# KiCad board TERES_PCB1-A64-MAIN_Rev.B.kicad_pcb (continued)
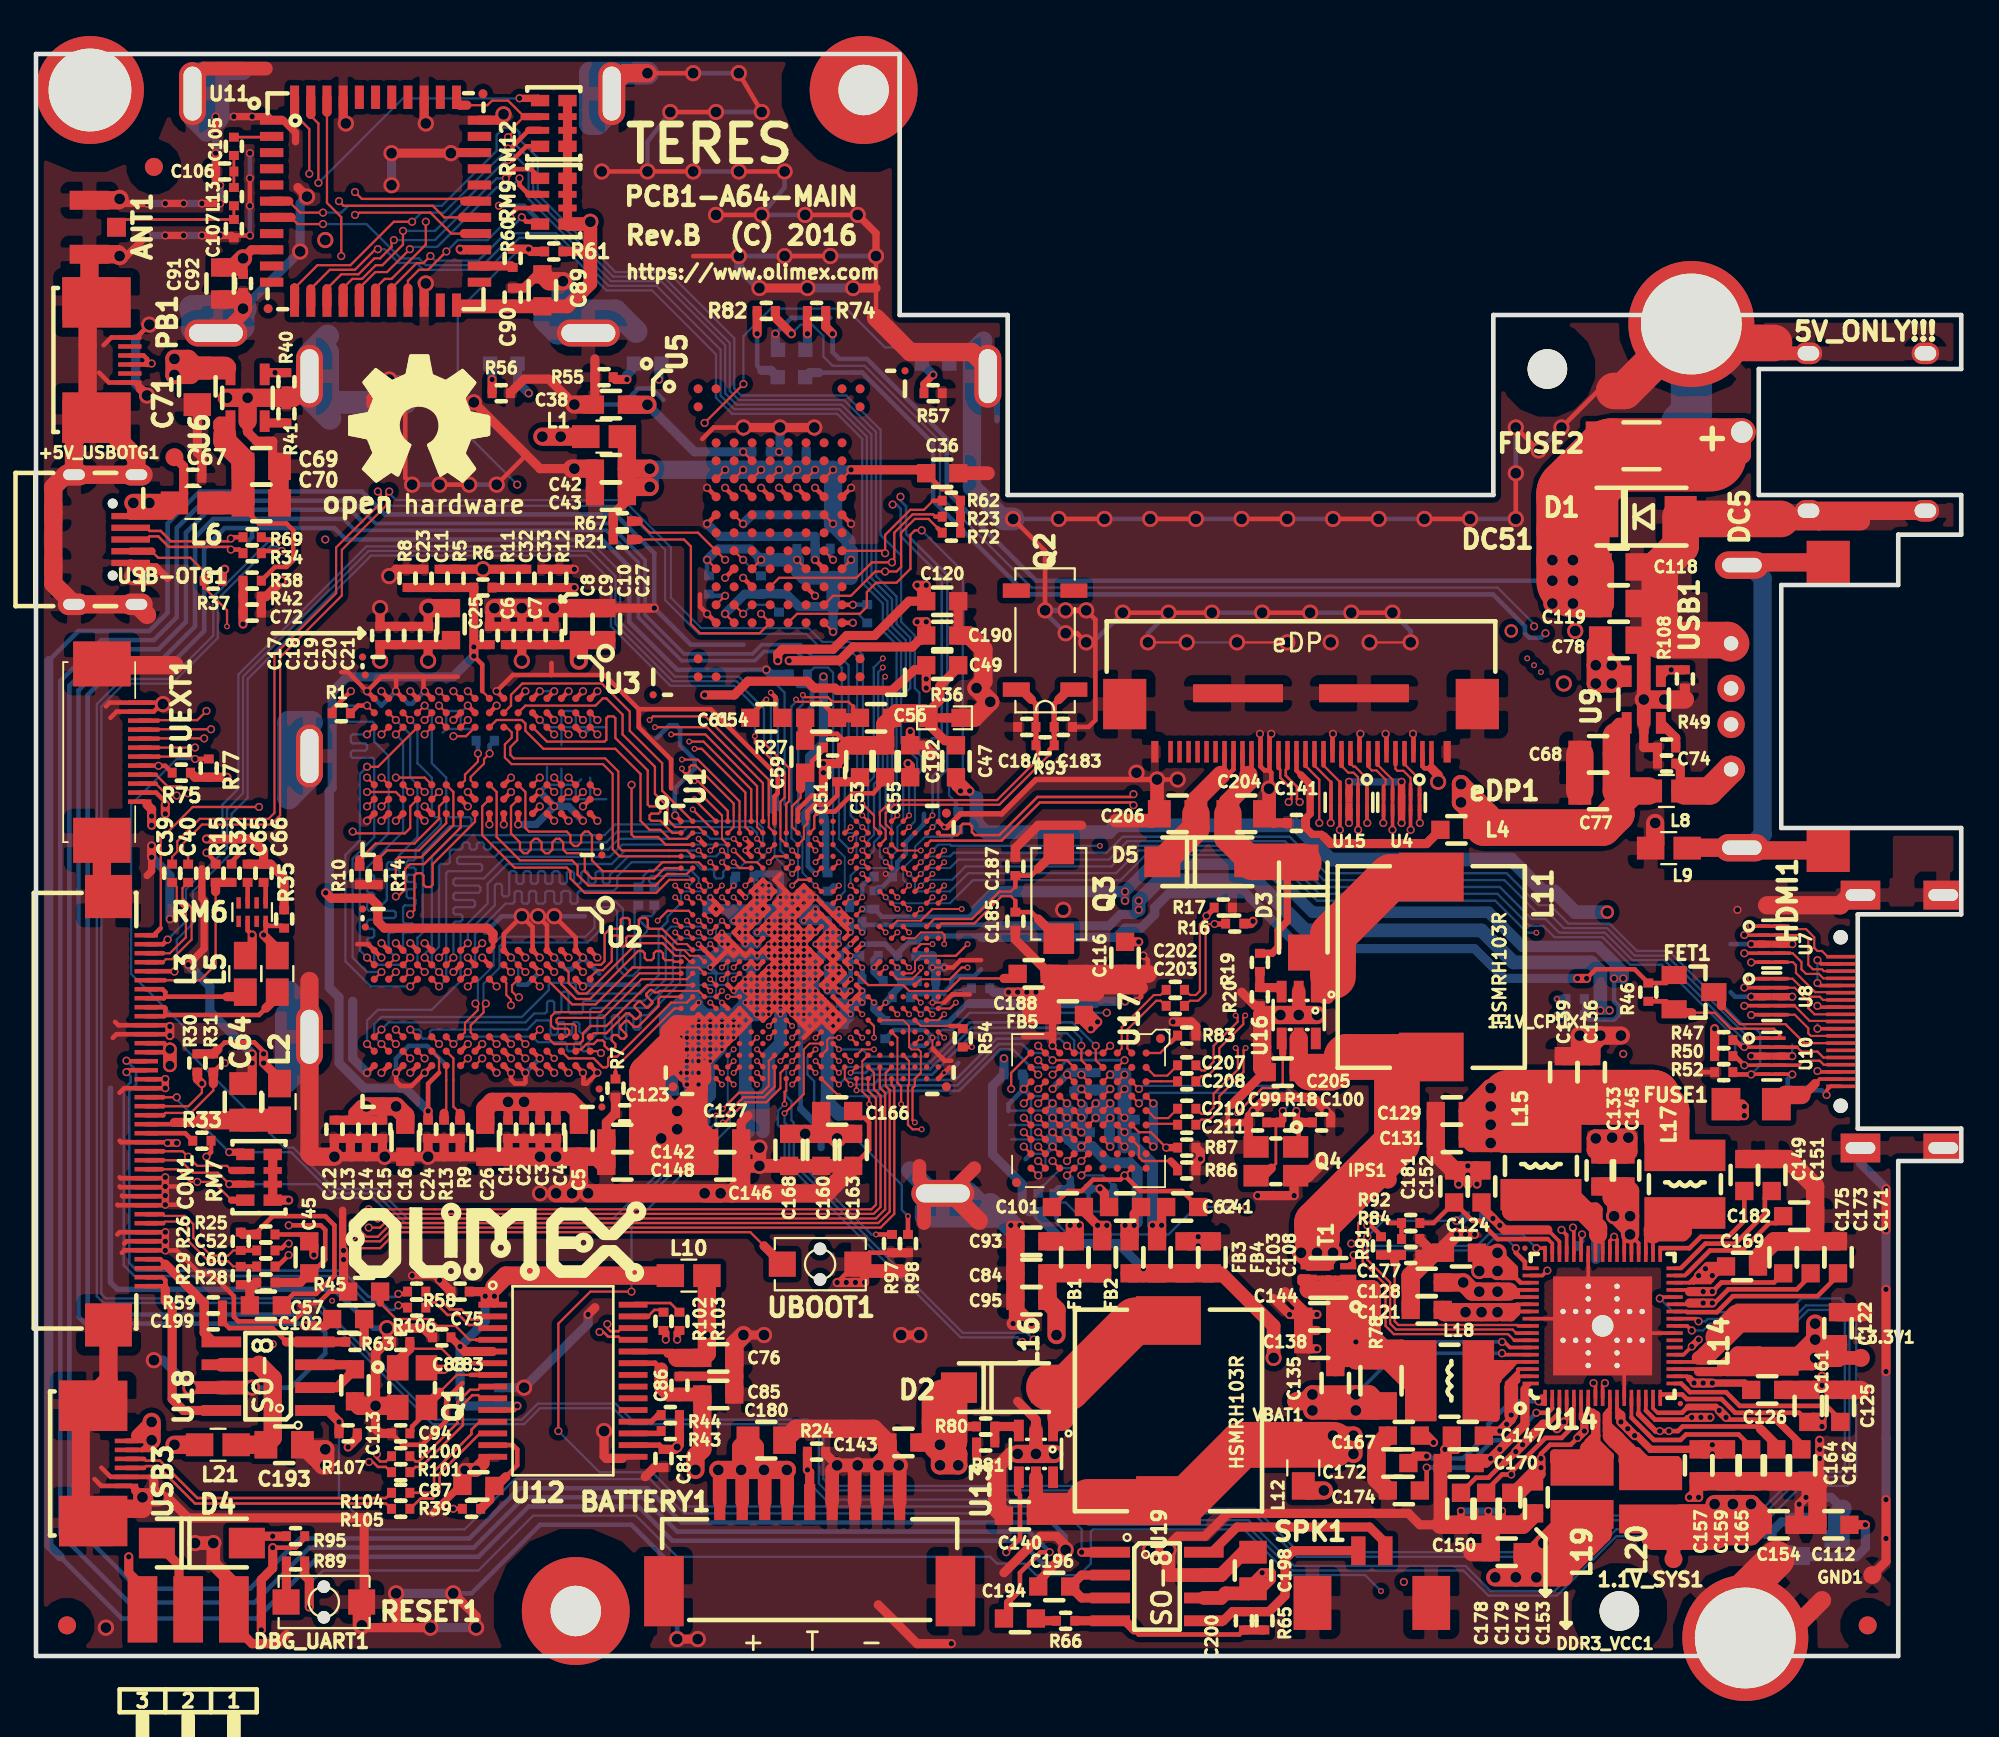
[diagram p0: board, top side]
## Placement (name value [footprint] x y rotation side) (continued)
R46  47k  [R_0402_5MIL_DWS]  89.61 36.88 270 top
R47  2.2k  [R_0402_5MIL_DWS]  93.8 34.21 0 top
R48  na(0R)  [R_0402_5MIL_DWS]  47.6 37.5 0 bottom
R49  10k/1%  [R_0402_5MIL_DWS]  90.63 50.47 0 top
R50  2.2k  [R_0402_5MIL_DWS]  93.8 33.33 0 top
R51  4.7k  [R_0402_5MIL_DWS]  97.87 31.42 0 bottom
R52  10k  [R_0402_5MIL_DWS]  93.8 32.44 180 top
R53  100k  [R_0402_5MIL_DWS]  57.99 25.96 0 bottom
R54  22R  [R_0402_5MIL_DWS]  51.51 34.34 90 top
R55  1.5k  [R_0402_5MIL_DWS]  31.57 71.04 180 top
R56  1.5k  [R_0402_5MIL_DWS]  25.86 70.16 0 top
R57  1.5k  [R_0402_5MIL_DWS]  49.86 70.16 0 top
R58  22R  [R_0402_5MIL_DWS]  21.16 20.24 0 top
R59  22.1K/1%  [R_0402_5MIL_DWS]  9.86 19.48 0 top
R60  NA(0R)  [R_0402_5MIL_DWS]  26.49 77.65 90 top
R61  NA(10k)  [R_0402_5MIL_DWS]  28.78 78.03 0 top
R62  NA  [R_0402_5MIL_DWS]  50.88 64.19 0 top
R63  12k/1%  [R_0402_5MIL_DWS]  17.73 17.45 0 top
R65  22.1K/1%  [R_0402_5MIL_DWS]  68.28 1.96 270 top
R66  12k/1%  [R_0402_5MIL_DWS]  57.23 1.96 180 top
R67  47k  [R_0402_5MIL_DWS]  32.59 63.04 180 top
R68  22R  [R_0402_5MIL_DWS]  51.26 46.41 270 bottom
R69  22R  [R_0402_5MIL_DWS]  12.01 62.15 180 top
R70  NA  [R_0402_5MIL_DWS]  46.2 57.9 270 bottom
R71  NA  [R_0402_5MIL_DWS]  44.65 61.52 0 bottom
R72  NA  [R_0402_5MIL_DWS]  50.88 62.41 0 top
R73  NA  [R_0402_5MIL_DWS]  41.3 58.5 90 bottom
R74  2k/1%  [R_0402_5MIL_DWS]  43.38 74.73 180 top
R75  2.2k  [R_0402_5MIL_DWS]  8.08 49.07 180 top
R76  NA  [R_0402_5MIL_DWS]  40.3 59.5 270 bottom
R77  2.2k  [R_0402_5MIL_DWS]  9.6 49.33 90 top
R78  0.01R/1%/1206  [R_1206_5MIL_DWS]  74.75 15.29 270 top
R79  NA  [R_0402_5MIL_DWS]  37.4 59.5 90 bottom
R80  8.25k/1%  [R_0402_5MIL_DWS]  52.78 12.75 0 top
R81  1.1k/1%  [R_0402_5MIL_DWS]  52.78 11.86 180 top
R82  2.2k  [R_0402_5MIL_DWS]  40.59 74.73 180 top
R83  12K_1%  [R_0402_5MIL_DWS]  63.96 34.47 0 top
R84  na(1k)  [R_0402_5MIL_DWS]  76.4 23.17 180 top
R85  10k  [R_0402_5MIL_DWS]  79.96 24.44 0 bottom
R86  1k  [R_0402_5MIL_DWS]  63.96 26.97 0 top
R87  2.2k  [R_0402_5MIL_DWS]  63.96 28.25 0 top
R88  2.2k  [R_0402_5MIL_DWS]  85.55 36.5 0 bottom
R89  1k  [R_0402_5MIL_DWS]  14.43 5.26 0 top
R90  2.2k  [R_0402_5MIL_DWS]  85.55 35.61 0 bottom
R91  1k  [R_0402_5MIL_DWS]  74.75 22.78 270 top
R92  1k  [R_0402_5MIL_DWS]  76.4 24.05 0 top
R93  10M  [R_0402_5MIL_DWS]  56.08 50.6 180 top
R94  2.2k  [R_0402_5MIL_DWS]  59.89 25.2 90 bottom
R95  10k  [R_0402_5MIL_DWS]  14.43 6.66 0 top
R96  NA  [R_0402_5MIL_DWS]  42.37 54.53 180 bottom
R97  NA  [R_0402_5MIL_DWS]  47.57 22.91 270 top
R98  NA  [R_0402_5MIL_DWS]  48.46 22.91 270 top
R99  2.2k  [R_0402_5MIL_DWS]  55.7 25.2 90 bottom
R100  22R  [R_0402_5MIL_DWS]  20.27 11.1 180 top
R101  22R  [R_0402_5MIL_DWS]  20.27 10.21 180 top
R102  22R  [R_0402_5MIL_DWS]  34.87 18.59 90 top
R103  22R  [R_0402_5MIL_DWS]  35.76 18.59 90 top
R104  22R  [R_0402_5MIL_DWS]  20.27 9.07 0 top
R105  22R  [R_0402_5MIL_DWS]  20.27 8.18 0 top
R106  22R  [R_0402_5MIL_DWS]  21.16 19.36 0 top
R107  47K  [R_0402_5MIL_DWS]  17.35 12.37 0 top
R108  10k  [R_0402_5MIL_DWS]  91.64 54.28 90 top
R109  2.2k  [R_0402_5MIL_DWS]  52.5 37.1 180 bottom
R110  10k  [R_0402_5MIL_DWS]  96.47 6.4 270 bottom
Ref**  Val**  [LOGO_ANTISTATIC_1]  34.75 14.66 180 bottom
Ref**#2  Val**  [LOGO_ROHS_1]  70.81 10.34 180 bottom
RESET1  IT1185AU2  [uTACTIL]  16 3 0 top
RM6  RA0805_(4X0402)_22R  [RA0805_(4X0402)_xx]  12.01 41.33 0 top
RM7  RA1206_(4x0603)_4B8_100k  [R_MATRIX_4]  12.39 26.59 90 top
RM9  RA1206_(4x0603)_4B8_100k  [R_MATRIX_4]  28.78 80.82 90 top
RM12  RA1206_(4x0603)_4B8_100k  [R_MATRIX_4]  28.78 85.14 90 top
SPK1  SPK1  [CON-SPK-TERES]  74.24 1.45 0 top
T1  WPM1481(DFN2X2-6L)  [DFN2x2-6L]  71.83 21.01 90 top
U1  AllWinner-A64(FBGA396)  [FBGA396]  43 39.23 270 top
U2  K4B4G1646Q-HYK0(FBGA-96_256Mx16_DDR3-1600_11-11-11)  [FBGA96(HYNIX_SAMSUNG_512MX16_DDR3)]  24.8 36 180 top
U3  K4B4G1646Q-HYK0(FBGA-96_256Mx16_DDR3-1600_11-11-11)  [FBGA96(HYNIX_SAMSUNG_512MX16_DDR3)]  24.8 50 180 top
U4  RCLAMP0524P(SLP2510P8)  [SLP2510P8]  75.9 47.42 180 top
U5  MTFC4GACAANA-4M_IT(TBGA100)  [TBGA100]  41.3 62.4 270 top
U6  SY6280AAC(SOT23-5)  [SOT-23-5]  11.76 69.9 270 top
U7  RCLAMP0524P(SLP2510P8)  [SLP2510P8]  96.47 39.55 270 top
U8  RCLAMP0524P(SLP2510P8)  [SLP2510P8]  96.47 36.63 270 top
U9  SY6280AAC(SOT23-5)  [SOT-23-5]  89.36 53.14 270 top
U10  RCLAMP0524P(SLP2510P8)  [SLP2510P8]  96.47 33.33 270 top
U11  RTL8723BS(ComboModule)  [RL-SM02BD(RTL8723BS)]  18.87 80.82 0 top
U12  GL850G-SO28  [SSOP28]  29.29 15.29 0 top
U13  MT3608(SOT23-6)  [SOT23-6]  55.57 11.23 90 top
U14  AXP803(QFN68_8x8mm)  [QFN68]  87.07 18.34 0 top
U15  RCLAMP0524P(SLP2510P8)  [SLP2510P8]  72.97 47.42 180 top
U16  MT3608  [SOT23-6]  70.18 35.61 90 top
U17  ANX6345  [BGA_8x8mm_81p_0.8]  58.5 30.3 270 top
U18  TS4871  [SO-8]  12.9 15.55 90 top
U19  TS4871  [SO-8]  62.31 3.86 270 top
UBOOT1  IT1185AU2  [uTACTIL]  43.58 21.77 0 top
USB1  USB_A_THERES  [USB-A-TERES]  107.01 52.76 90 top
USB3  USB3  [FLEXCON-0.5-6]  2.88 10.7 270 top
USB-OTG1  MICRO_USB/MISB-SWMM-5AB_LF  [USB-MICRO_MISB-SWMM-5B_LF]  2.36 62.03 180 top
VBAT1  TESTPAD  [TESTPAD_40-ROUND]  70.05 14.15 0 top

## Footprints (pads in the part's own frame, mm; a bottom-side part is the same pattern mirrored in y, then rotated)
0R_0603
  rect 1.016x1.016 smd: 1(-0.889,0) 2(0.889,0)
  rect 0.78x0.5 smd: 1(0,0)
BATCONN-TERES
  rect 2.2x3.9 smd: 0(-8.1,1.2) 0(8.1,1.2)
  rect 0.625x2 smd: 1(-5,-3.75) 2(-3.75,-3.75) 3(-2.5,-3.75) 4(-1.25,-3.75) 5(0,-3.75) 6(1.25,-3.75) 7(2.5,-3.75) 8(3.75,-3.75) 9(5,-3.75)
BGA_8x8mm_81p_0.8
  round 0.5 smd: 0(-4,4) 0(4,-4)
  round 0.4 smd: A1(-3.2,3.2) A2(-2.4,3.2) A3(-1.6,3.2) A4(-0.8,3.2) A5(0,3.2) A6(0.8,3.2) A7(1.6,3.2) A8(2.4,3.2) A9(3.2,3.2) B1(-3.2,2.4) B2(-2.4,2.4) B3(-1.6,2.4) B4(-0.8,2.4) B5(0,2.4) B6(0.8,2.4) B7(1.6,2.4) B8(2.4,2.4) B9(3.2,2.4) C1(-3.2,1.6) C2(-2.4,1.6) C3(-1.6,1.6) C4(-0.8,1.6) C5(0,1.6) C6(0.8,1.6) C7(1.6,1.6) C8(2.4,1.6) C9(3.2,1.6) D1(-3.2,0.8) D2(-2.4,0.8) D3(-1.6,0.8) D4(-0.8,0.8) D5(0,0.8) D6(0.8,0.8) D7(1.6,0.8) D8(2.4,0.8) D9(3.2,0.8) E1(-3.2,0) E2(-2.4,0) E3(-1.6,0) E4(-0.8,0) E5(0,0) E6(0.8,0) E7(1.6,0) E8(2.4,0) E9(3.2,0) F1(-3.2,-0.8) F2(-2.4,-0.8) F3(-1.6,-0.8) F4(-0.8,-0.8) F5(0,-0.8) F6(0.8,-0.8) F7(1.6,-0.8) F8(2.4,-0.8) F9(3.2,-0.8) G1(-3.2,-1.6) G2(-2.4,-1.6) G3(-1.6,-1.6) G4(-0.8,-1.6) G5(0,-1.6) G6(0.8,-1.6) G7(1.6,-1.6) G8(2.4,-1.6) G9(3.2,-1.6) H1(-3.2,-2.4) H2(-2.4,-2.4) H3(-1.6,-2.4) H4(-0.8,-2.4) H5(0,-2.4) H6(0.8,-2.4) H7(1.6,-2.4) H8(2.4,-2.4) H9(3.2,-2.4) J1(-3.2,-3.2) J2(-2.4,-3.2) J3(-1.6,-3.2) J4(-0.8,-3.2) J5(0,-3.2) J6(0.8,-3.2) J7(1.6,-3.2) J8(2.4,-3.2) J9(3.2,-3.2)
C_0402_5MIL_DWS
  rect 0.5x0.55 smd: 1(-0.508,0) 2(0.508,0)
C_0603_5MIL_DWS
  rect 1.016x1.016 smd: 1(-0.889,0) 2(0.889,0)
C_0805_5MIL_DWS
  rect 1.27x1.524 smd: 1(-1.016,0) 2(1.016,0)
CD32
  rect 1.6x3.5 smd: 1(1.2,0) 2(-1.2,0)
CD42(43)
  rect 1.75x4.5 smd: 1(-1.6,0) 2(1.6,0)
CON-SPK-TERES
  rect 2.1x3 smd: 0(-3.3,1.5) 0(3.3,1.5)
  rect 0.8x1.6 smd: 1(-0.75,4.4) 2(0.75,4.4)
DC-055-TERES
  round 1.524 hole 1.2: 1(0,12.2)
  oval 1.2x1.524 hole 0.8x1.2: 2(-4.375,8.5) 2(-4.375,2) 2(4.375,8.5) 2(4.375,2)
DFN2x2-6L
  rect 0.35x0.9 smd: 1(-0.65,-1.1) 2(0,-1.1) 3(0.65,-1.1) 4(0.65,1.1) 5(0,1.1) 6(-0.65,1.1)
  rect 0.95x0.8 smd: 7(-0.35,0)
  rect 0.35x0.6 smd: 8(0.65,0)
DO214AA
  rect 1.778x2.286 smd: A(2.177,0) C(-2.177,0)
eDP-TERES
  rect 2.4x2.8 smd: 0(-9.8,-1.4) 0(9.8,-1.4)
  rect 0.4x1.2 smd: 0(-8.125,1.25) 0(8.125,1.25)
  rect 5x1 smd: 0(-3.5,-2) 0(3.5,-2)
  rect 0.25x1.2 smd: 1(-7.25,1.25) 2(-6.75,1.25) 3(-6.25,1.25) 4(-5.75,1.25) 5(-5.25,1.25) 6(-4.75,1.25) 7(-4.25,1.25) 8(-3.75,1.25) 9(-3.25,1.25) 10(-2.75,1.25) 11(-2.25,1.25) 12(-1.75,1.25) 13(-1.25,1.25) 14(-0.75,1.25) 15(-0.25,1.25) 16(0.25,1.25) 17(0.75,1.25) 18(1.25,1.25) 19(1.75,1.25) 20(2.25,1.25) 21(2.75,1.25) 22(3.25,1.25) 23(3.75,1.25) 24(4.25,1.25) 25(4.75,1.25) 26(5.25,1.25) 27(5.75,1.25) 28(6.25,1.25) 29(6.75,1.25) 30(7.25,1.25)
FBGA96(HYNIX_SAMSUNG_512MX16_DDR3)
  round 0.4 smd: A1(-6,-3.2) A2(-6,-2.4) A3(-6,-1.6) A7(-6,1.6) A8(-6,2.4) A9(-6,3.2) B1(-5.2,-3.2) B2(-5.2,-2.4) B3(-5.2,-1.6) B7(-5.2,1.6) B8(-5.2,2.4) B9(-5.2,3.2) C1(-4.4,-3.2) C2(-4.4,-2.4) C3(-4.4,-1.6) C7(-4.4,1.6) C8(-4.4,2.4) C9(-4.4,3.2) D1(-3.6,-3.2) D2(-3.6,-2.4) D3(-3.6,-1.6) D7(-3.6,1.6) D8(-3.6,2.4) D9(-3.6,3.2) E1(-2.8,-3.2) E2(-2.8,-2.4) E3(-2.8,-1.6) E7(-2.8,1.6) E8(-2.8,2.4) E9(-2.8,3.2) F1(-2,-3.2) F2(-2,-2.4) F3(-2,-1.6) F7(-2,1.6) F8(-2,2.4) F9(-2,3.2) FID1(6.5,-4.5) FID2(-6.5,4.5) FID3(6.65,-5.5) FID4(-6.65,5.5) G1(-1.2,-3.2) G2(-1.2,-2.4) G3(-1.2,-1.6) G7(-1.2,1.6) G8(-1.2,2.4) G9(-1.2,3.2) H1(-0.4,-3.2) H2(-0.4,-2.4) H3(-0.4,-1.6) H7(-0.4,1.6) H8(-0.4,2.4) H9(-0.4,3.2) J1(0.4,-3.2) J2(0.4,-2.4) J3(0.4,-1.6) J7(0.4,1.6) J8(0.4,2.4) J9(0.4,3.2) K1(1.2,-3.2) K2(1.2,-2.4) K3(1.2,-1.6) K7(1.2,1.6) K8(1.2,2.4) K9(1.2,3.2) L1(2,-3.2) L2(2,-2.4) L3(2,-1.6) L7(2,1.6) L8(2,2.4) L9(2,3.2) M1(2.8,-3.2) M2(2.8,-2.4) M3(2.8,-1.6) M7(2.8,1.6) M8(2.8,2.4) M9(2.8,3.2) N1(3.6,-3.2) N2(3.6,-2.4) N3(3.6,-1.6) N7(3.6,1.6) N8(3.6,2.4) N9(3.6,3.2) P1(4.4,-3.2) P2(4.4,-2.4) P3(4.4,-1.6) P7(4.4,1.6) P8(4.4,2.4) P9(4.4,3.2) R1(5.2,-3.2) R2(5.2,-2.4) R3(5.2,-1.6) R7(5.2,1.6) R8(5.2,2.4) R9(5.2,3.2) T1(6,-3.2) T2(6,-2.4) T3(6,-1.6) T7(6,1.6) T8(6,2.4) T9(6,3.2)
FBGA396
  round 0.3 smd: A1(-7.15,-7.15) A2(-7.15,-6.5) A4(-7.15,-5.2) A5(-7.15,-4.55) A7(-7.15,-3.25) A8(-7.15,-2.6) A11(-7.15,-0.65) A13(-7.15,0.65) A14(-7.15,1.3) A16(-7.15,2.6) A17(-7.15,3.25) A19(-7.15,4.55) A20(-7.15,5.2) A22(-7.15,6.5) A23(-7.15,7.15) AA1(5.85,-7.15) AA3(5.85,-5.85) AA5(5.85,-4.55) AA6(5.85,-3.9) AA7(5.85,-3.25) AA8(5.85,-2.6) AA9(5.85,-1.95) AA10(5.85,-1.3) AA11(5.85,-0.65) AA12(5.85,0) AA13(5.85,0.65) AA14(5.85,1.3) AA15(5.85,1.95) AA16(5.85,2.6) AA17(5.85,3.25) AA18(5.85,3.9) AA19(5.85,4.55) AA20(5.85,5.2) AA21(5.85,5.85) AA22(5.85,6.5) AB2(6.5,-6.5) AB4(6.5,-5.2) AB5(6.5,-4.55) AB6(6.5,-3.9) AB7(6.5,-3.25) AB8(6.5,-2.6) AB9(6.5,-1.95) AB10(6.5,-1.3) AB11(6.5,-0.65) AB12(6.5,0) AB13(6.5,0.65) AB14(6.5,1.3) AB15(6.5,1.95) AB16(6.5,2.6) AB17(6.5,3.25) AB18(6.5,3.9) AB19(6.5,4.55) AB20(6.5,5.2) AB21(6.5,5.85) AB22(6.5,6.5) AB23(6.5,7.15) AC1(7.15,-7.15) AC2(7.15,-6.5) AC4(7.15,-5.2) AC5(7.15,-4.55) AC7(7.15,-3.25) AC8(7.15,-2.6) AC10(7.15,-1.3) AC11(7.15,-0.65) AC13(7.15,0.65) AC14(7.15,1.3) AC16(7.15,2.6) AC17(7.15,3.25) AC19(7.15,4.55) AC20(7.15,5.2) AC22(7.15,6.5) AC23(7.15,7.15) B1(-6.5,-7.15) B2(-6.5,-6.5) B3(-6.5,-5.85) B4(-6.5,-5.2) B5(-6.5,-4.55) B6(-6.5,-3.9) B7(-6.5,-3.25) B8(-6.5,-2.6) B9(-6.5,-1.95) B10(-6.5,-1.3) B11(-6.5,-0.65) B12(-6.5,0) B13(-6.5,0.65) B14(-6.5,1.3) B15(-6.5,1.95) B16(-6.5,2.6) B17(-6.5,3.25) B18(-6.5,3.9) B19(-6.5,4.55) B20(-6.5,5.2) B21(-6.5,5.85) B22(-6.5,6.5) B23(-6.5,7.15) C2(-5.85,-6.5) C3(-5.85,-5.85) C4(-5.85,-5.2) C5(-5.85,-4.55) C6(-5.85,-3.9) C7(-5.85,-3.25) C8(-5.85,-2.6) C9(-5.85,-1.95) C10(-5.85,-1.3) C11(-5.85,-0.65) C12(-5.85,0) C13(-5.85,0.65) C14(-5.85,1.3) C16(-5.85,2.6) C17(-5.85,3.25) C18(-5.85,3.9) C19(-5.85,4.55) C20(-5.85,5.2) C22(-5.85,6.5) D1(-5.2,-7.15) D2(-5.2,-6.5) D3(-5.2,-5.85) D5(-5.2,-4.55) D7(-5.2,-3.25) D8(-5.2,-2.6) D10(-5.2,-1.3) D11(-5.2,-0.65) D13(-5.2,0.65) D14(-5.2,1.3) D16(-5.2,2.6) D17(-5.2,3.25) D19(-5.2,4.55) D20(-5.2,5.2) D21(-5.2,5.85) D22(-5.2,6.5) D23(-5.2,7.15) E1(-4.55,-7.15) E2(-4.55,-6.5) E3(-4.55,-5.85) E4(-4.55,-5.2) E5(-4.55,-4.55) E7(-4.55,-3.25) E8(-4.55,-2.6) E10(-4.55,-1.3) E11(-4.55,-0.65) E13(-4.55,0.65) E14(-4.55,1.3) E16(-4.55,2.6) E17(-4.55,3.25) E19(-4.55,4.55) E20(-4.55,5.2) E21(-4.55,5.85) E22(-4.55,6.5) E23(-4.55,7.15) F2(-3.9,-6.5) F3(-3.9,-5.85) F7(-3.9,-3.25) F12(-3.9,0) F16(-3.9,2.6) F17(-3.9,3.25) F21(-3.9,5.85) F22(-3.9,6.5) G1(-3.25,-7.15) G2(-3.25,-6.5) G3(-3.25,-5.85) G4(-3.25,-5.2) G5(-3.25,-4.55) G6(-3.25,-3.9) G7(-3.25,-3.25) G8(-3.25,-2.6) G9(-3.25,-1.95) G11(-3.25,-0.65) G13(-3.25,0.65) G14(-3.25,1.3) G16(-3.25,2.6) G18(-3.25,3.9) G19(-3.25,4.55) G20(-3.25,5.2) G21(-3.25,5.85) G22(-3.25,6.5) G23(-3.25,7.15) H1(-2.6,-7.15) H2(-2.6,-6.5) H3(-2.6,-5.85) H4(-2.6,-5.2) H5(-2.6,-4.55) H6(-2.6,-3.9) H13(-2.6,0.65) H14(-2.6,1.3) H15(-2.6,1.95) H16(-2.6,2.6) H19(-2.6,4.55) H20(-2.6,5.2) H22(-2.6,6.5) H23(-2.6,7.15) J2(-1.95,-6.5) J3(-1.95,-5.85) J8(-1.95,-2.6) J9(-1.95,-1.95) J10(-1.95,-1.3) J11(-1.95,-0.65) J12(-1.95,0) J13(-1.95,0.65) J14(-1.95,1.3) J15(-1.95,1.95) J16(-1.95,2.6) J21(-1.95,5.85) K1(-1.3,-7.15) K2(-1.3,-6.5) K3(-1.3,-5.85) K4(-1.3,-5.2) K5(-1.3,-4.55) K6(-1.3,-3.9) K7(-1.3,-3.25) K8(-1.3,-2.6) K9(-1.3,-1.95) K10(-1.3,-1.3) K11(-1.3,-0.65) K12(-1.3,0) K13(-1.3,0.65) K14(-1.3,1.3) K16(-1.3,2.6) K18(-1.3,3.9) K19(-1.3,4.55) K20(-1.3,5.2) K22(-1.3,6.5) K23(-1.3,7.15) L1(-0.65,-7.15) L2(-0.65,-6.5) L3(-0.65,-5.85) L4(-0.65,-5.2) L5(-0.65,-4.55) L6(-0.65,-3.9) L7(-0.65,-3.25) L8(-0.65,-2.6) L9(-0.65,-1.95) L10(-0.65,-1.3) L11(-0.65,-0.65) L12(-0.65,0) L13(-0.65,0.65) L14(-0.65,1.3) L15(-0.65,1.95) L16(-0.65,2.6) L19(-0.65,4.55) L20(-0.65,5.2) L22(-0.65,6.5) L23(-0.65,7.15) M2(0,-6.5) M3(0,-5.85) M4(0,-5.2) M8(0,-2.6) M9(0,-1.95) M10(0,-1.3) M11(0,-0.65) M12(0,0) M13(0,0.65) M14(0,1.3) M15(0,1.95) M16(0,2.6) M21(0,5.85) M22(0,6.5) N1(0.65,-7.15) N2(0.65,-6.5) N3(0.65,-5.85) N4(0.65,-5.2) N5(0.65,-4.55) N6(0.65,-3.9) N7(0.65,-3.25) N8(0.65,-2.6) N9(0.65,-1.95) N10(0.65,-1.3) N11(0.65,-0.65) N12(0.65,0) N13(0.65,0.65) N14(0.65,1.3) N15(0.65,1.95) N16(0.65,2.6) N18(0.65,3.9) N19(0.65,4.55) N20(0.65,5.2) N22(0.65,6.5) N23(0.65,7.15) P1(1.3,-7.15) P2(1.3,-6.5) P3(1.3,-5.85) P5(1.3,-4.55) P6(1.3,-3.9) P7(1.3,-3.25) P8(1.3,-2.6) P9(1.3,-1.95) P10(1.3,-1.3) P11(1.3,-0.65) P12(1.3,0) P13(1.3,0.65) P14(1.3,1.3) P16(1.3,2.6) P18(1.3,3.9) P19(1.3,4.55) P20(1.3,5.2) P22(1.3,6.5) P23(1.3,7.15) R2(1.95,-6.5) R3(1.95,-5.85) R4(1.95,-5.2) R5(1.95,-4.55) R6(1.95,-3.9) R7(1.95,-3.25) R8(1.95,-2.6) R9(1.95,-1.95) R10(1.95,-1.3) R11(1.95,-0.65) R12(1.95,0) R13(1.95,0.65) R14(1.95,1.3) R15(1.95,1.95) R16(1.95,2.6) R21(1.95,5.85) R22(1.95,6.5) T1(2.6,-7.15) T2(2.6,-6.5) T3(2.6,-5.85) T4(2.6,-5.2) T6(2.6,-3.9) T8(2.6,-2.6) T9(2.6,-1.95) T10(2.6,-1.3) T11(2.6,-0.65) T12(2.6,0) T13(2.6,0.65) T14(2.6,1.3) T15(2.6,1.95) T17(2.6,3.25) T19(2.6,4.55) T20(2.6,5.2) T21(2.6,5.85) T22(2.6,6.5) T23(2.6,7.15) U1(3.25,-7.15) U2(3.25,-6.5) U4(3.25,-5.2) U5(3.25,-4.55) U6(3.25,-3.9) U7(3.25,-3.25) U8(3.25,-2.6) U9(3.25,-1.95) U11(3.25,-0.65) U12(3.25,0) U15(3.25,1.95) U16(3.25,2.6) U18(3.25,3.9) U19(3.25,4.55) U20(3.25,5.2) U21(3.25,5.85) U22(3.25,6.5) U23(3.25,7.15) V2(3.9,-6.5) V3(3.9,-5.85) V4(3.9,-5.2) V5(3.9,-4.55) V6(3.9,-3.9) V8(3.9,-2.6) V9(3.9,-1.95) V10(3.9,-1.3) V14(3.9,1.3) V17(3.9,3.25) V18(3.9,3.9) V21(3.9,5.85) V22(3.9,6.5) W1(4.55,-7.15) W3(4.55,-5.85) W4(4.55,-5.2) W5(4.55,-4.55) W7(4.55,-3.25) W8(4.55,-2.6) W9(4.55,-1.95) W10(4.55,-1.3) W11(4.55,-0.65) W13(4.55,0.65) W16(4.55,2.6) W17(4.55,3.25) W19(4.55,4.55) W20(4.55,5.2) W21(4.55,5.85) W22(4.55,6.5) W23(4.55,7.15) Y2(5.2,-6.5) Y3(5.2,-5.85) Y4(5.2,-5.2) Y6(5.2,-3.9) Y7(5.2,-3.25) Y8(5.2,-2.6) Y10(5.2,-1.3) Y11(5.2,-0.65) Y13(5.2,0.65) Y14(5.2,1.3) Y16(5.2,2.6) Y17(5.2,3.25) Y19(5.2,4.55) Y21(5.2,5.85) Y22(5.2,6.5) Y23(5.2,7.15)
  round 0.5 smd: fid1(7.6,-7.6) fid2(7.6,7.6) fid3(-7.6,7.6)
Fiducial1x3_transp
  round 1 smd: Fid1(0,0)
FLEXCON-0.5-6
  rect 2.4x3 smd: 0(-3.4,-0.1) 0(3.4,-0.1)
  rect 2.8x3.8 smd: 0(-3.2,0.3) 0(3.2,0.3)
  rect 0.25x1.3 smd: 1(-1.25,2.15) 2(-0.75,2.15) 3(-0.25,2.15) 4(0.25,2.15) 5(0.75,2.15) 6(1.25,2.15)
FPV-WZA21-40-LF
  rect 2.4x2.6 smd: 0(-11.9,-0.65) 0(11.9,-0.65)
  rect 0.25x1.3 smd: 1(-9.75,-2.75) 2(-9.25,-2.75) 3(-8.75,-2.75) 4(-8.25,-2.75) 5(-7.75,-2.75) 6(-7.25,-2.75) 7(-6.75,-2.75) 8(-6.25,-2.75) 9(-5.75,-2.75) 10(-5.25,-2.75) 11(-4.75,-2.75) 12(-4.25,-2.75) 13(-3.75,-2.75) 14(-3.25,-2.75) 15(-2.75,-2.75) 16(-2.25,-2.75) 17(-1.75,-2.75) 18(-1.25,-2.75) 19(-0.75,-2.75) 20(-0.25,-2.75) 21(0.25,-2.75) 22(0.75,-2.75) 23(1.25,-2.75) 24(1.75,-2.75) 25(2.25,-2.75) 26(2.75,-2.75) 27(3.25,-2.75) 28(3.75,-2.75) 29(4.25,-2.75) 30(4.75,-2.75) 31(5.25,-2.75) 32(5.75,-2.75) 33(6.25,-2.75) 34(6.75,-2.75) 35(7.25,-2.75) 36(7.75,-2.75) 37(8.25,-2.75) 38(8.75,-2.75) 39(9.25,-2.75) 40(9.75,-2.75)
FPV-WZB21-12-LF
  rect 2.5x3.2 smd: 0(-4.9,0.35) 0(4.9,0.35)
  rect 0.25x1.3 smd: 1(-2.75,-1.75) 2(-2.25,-1.75) 3(-1.75,-1.75) 4(-1.25,-1.75) 5(-0.75,-1.75) 6(-0.25,-1.75) 7(0.25,-1.75) 8(0.75,-1.75) 9(1.25,-1.75) 10(1.75,-1.75) 11(2.25,-1.75) 12(2.75,-1.75)
FUSE-1206
  rect 1.6x1.8 smd: 1(-1.4,0) 2(1.4,0)
FUSE-5025
  rect 1.8x2.7 smd: 1(-2.2,0) 2(2.2,0)
HDMI-MINI-TERES
  round 0.8 hole 0.8 unplated: (-4.68,7.7) (4.68,7.7)
  rect 1.6x2.2 hole 0.65x1.65: 0(-7.025,6.6) 0(-7.025,2) 0(7.025,6.6) 0(7.025,2)
  rect 0.2x1.6 smd: 1(3.6,7.7) 2(3.2,7.7) 3(2.8,7.7) 4(2.4,7.7) 5(2,7.7) 6(1.6,7.7) 7(1.2,7.7) 8(0.8,7.7) 9(0.4,7.7) 10(0,7.7) 11(-0.4,7.7) 12(-0.8,7.7) 13(-1.2,7.7) 14(-1.6,7.7) 15(-2,7.7) 16(-2.4,7.7) 17(-2.8,7.7) 18(-3.2,7.7) 19(-3.6,7.7)
HN1x3(SMD)
  rect 1.651x3.683 smd: 1(-2.54,0) 2(0,0) 3(2.54,0)
HSMRH103R
  rect 2.7x3.6 smd: 1(-5,0) 2(5,0)
L_0603_5MIL_DWS
  rect 1.016x1.016 smd: 1(-0.889,0) 2(0.889,0)
L_0805_5MIL_DWS
  rect 1.524x1.27 smd: 1(-1.016,0) 2(1.016,0)
LED_0603_KA
  rect 0.8x0.8 smd: 1(-0.762,0) 2(0.762,0)
MC306-HS
  rect 0.8x1.5 smd: 1(-2.75,1.6) 2(-2.75,-1.6) 3(2.75,-1.6) 4(2.75,1.6)
Mounting_hole_2.8mm
  round 6 hole 2.8: (0,0)
Mounting_hole_3.3mm
  round 6 hole 2.8: (-20.765,-1.766)
Mounting_hole_5.6mm_TERES
  round 7 hole 5.6: (0,0)
Mounting_hole_TERES_4.6mm
  round 6 hole 4.6: (0,0)
NPTH_2.2mm
  round 2.2 hole 2.2 unplated: (0,0)
Oval_Drill
  oval 3.5x1.5 hole 3x1: 1(0,0)
Q5x3.25
  rect 1.7x1.7 smd: 1(-2.49,0) 2(2.49,0)
QFN68
  rect 1.6x1.2 smd: (-1.8,0) (1.8,0)
  rect 1.5x1.6 smd: (-1.75,1.8) (-1.75,-1.8) (1.75,1.8) (1.75,-1.8)
  rect 1.2x1.6 smd: (0,1.8)
  rect 1.2x1.7 smd: (0,-1.75)
  rect 0.2x0.9 smd: 1(-3.2,-4) 2(-2.8,-4) 3(-2.4,-4) 4(-2,-4) 5(-1.6,-4) 6(-1.2,-4) 7(-0.8,-4) 8(-0.4,-4) 9(0,-4) 10(0.4,-4) 11(0.8,-4) 12(1.2,-4) 13(1.6,-4) 14(2,-4) 15(2.4,-4) 16(2.8,-4) 17(3.2,-4) 35(3.2,4) 36(2.8,4) 37(2.4,4) 38(2,4) 39(1.6,4) 40(1.2,4) 41(0.8,4) 42(0.4,4) 43(0,4) 44(-0.4,4) 45(-0.8,4) 46(-1.2,4) 47(-1.6,4) 48(-2,4) 49(-2.4,4) 50(-2.8,4) 51(-3.2,4)
  rect 0.9x0.2 smd: 18(4,-3.2) 19(4,-2.8) 20(4,-2.4) 21(4,-2) 22(4,-1.6) 23(4,-1.2) 24(4,-0.8) 25(4,-0.4) 26(4,0) 27(4,0.4) 28(4,0.8) 29(4,1.2) 30(4,1.6) 31(4,2) 32(4,2.4) 33(4,2.8) 34(4,3.2) 52(-4,3.2) 53(-4,2.8) 54(-4,2.4) 55(-4,2) 56(-4,1.6) 57(-4,1.2) 58(-4,0.8) 59(-4,0.4) 60(-4,0) 61(-4,-0.4) 62(-4,-0.8) 63(-4,-1.2) 64(-4,-1.6) 65(-4,-2) 66(-4,-2.4) 67(-4,-2.8) 68(-4,-3.2)
  rect 0.4x0.4 hole 0.3: 69(-2.2,0.8) 69(-2.2,-0.8) 69(-1.5,0.8) 69(-1.5,-0.8) 69(-0.8,2.2) 69(-0.8,1.5) 69(-0.8,0.8) 69(-0.8,-0.8) 69(-0.8,-1.5) 69(-0.8,-2.2) 69(0.8,2.2) 69(0.8,1.5) 69(0.8,0.8) 69(0.8,-0.8) 69(0.8,-1.5) 69(0.8,-2.2) 69(1.5,0.8) 69(1.5,-0.8) 69(2.2,0.8) 69(2.2,-0.8)
  rect 1.422x1.422 hole 1.2: 69(0,0)
  rect 5.5x5.5 smd: 69(0,0)
  round 0.3 smd: Fid1(-4.318,4.318) Fid2(4.318,-4.318)
R_0402_5MIL_DWS
  rect 0.5x0.55 smd: 1(-0.508,0) 2(0.508,0)
R_0603_5MIL_DWS
  rect 1.016x1.016 smd: 1(-0.889,0) 2(0.889,0)
R_0805_5MIL_DWS
  rect 1.27x1.524 smd: 1(-1.016,0) 2(1.016,0)
R_1206_5MIL_DWS
  rect 1.524x1.778 smd: 1(-1.397,0) 2(1.397,0)
R_MATRIX_4
  rect 0.635x1.016 smd: 1.1(-1.27,-0.762) 1.2(-1.27,0.762) 4.1(1.27,-0.762) 4.2(1.27,0.762)
  rect 0.381x1.016 smd: 2.1(-0.381,-0.762) 2.2(-0.381,0.762) 3.1(0.381,-0.762) 3.2(0.381,0.762)
RA0805_(4X0402)_xx
  rect 0.25x0.625 smd: 1.1(-0.75,-0.512) 1.2(-0.75,0.512) 2.1(-0.25,-0.512) 2.2(-0.25,0.512) 3.1(0.25,-0.512) 3.2(0.25,0.512) 4.1(0.75,-0.512) 4.2(0.75,0.512)
RL-SM02BD(RTL8723BS)
  rect 1.3x0.5 smd: 1(-5.775,4.5) 2(-5.775,3.6) 3(-5.775,2.7) 4(-5.775,1.8) 5(-5.775,0.9) 6(-5.775,0) 7(-5.775,-0.9) 8(-5.775,-1.8) 9(-5.775,-2.7) 10(-5.775,-3.6) 11(-5.775,-4.5) 23(5.775,-4.5) 24(5.775,-3.6) 25(5.775,-2.7) 26(5.775,-1.8) 27(5.775,-0.9) 28(5.775,0) 29(5.775,0.9) 30(5.775,1.8) 31(5.775,2.7) 32(5.775,3.6) 33(5.775,4.5)
  rect 0.5x1.3 smd: 12(-4.5,-5.775) 13(-3.6,-5.775) 14(-2.7,-5.775) 15(-1.8,-5.775) 16(-0.9,-5.775) 17(0,-5.775) 18(0.9,-5.775) 19(1.8,-5.775) 20(2.7,-5.775) 21(3.6,-5.775) 22(4.5,-5.775) 34(4.5,5.775) 35(3.6,5.775) 36(2.7,5.775) 37(1.8,5.775) 38(0.9,5.775) 39(0,5.775) 40(-0.9,5.775) 41(-1.8,5.775) 42(-2.7,5.775) 43(-3.6,5.775) 44(-4.5,5.775)
  round 0.5 smd: FID1(-5.969,-5.969) FID2(5.969,5.969)
SLP2510P8
  rect 0.2x0.675 smd: 1(-1,-0.438) 2(-0.5,-0.438) 4(0.5,-0.438) 5(1,-0.438) 6(1,0.438) 7(0.5,0.438) 9(-0.5,0.438) 10(-1,0.438)
  rect 0.4x0.775 smd: 3(0,-0.388) 8(0,0.388)
SMA-KA
  rect 2x1.7 smd: 1(-2.5,0) 2(2.5,0)
SO-8
  rect 0.6x2.2 smd: 1(-1.905,-2.6) 2(-0.635,-2.6) 3(0.635,-2.6) 4(1.905,-2.6) 5(1.905,2.6) 6(0.635,2.6) 7(-0.635,2.6) 8(-1.905,2.6)
SOT23
  rect 1.4x1 smd: 1(1.107,-0.95) 2(1.107,0.953) 3(-1.102,-0.003)
SOT23-6
  rect 1.2x0.55 smd: 1(1.3,-0.95) 2(1.3,0) 3(1.3,0.95) 4(-1.3,0.95) 5(-1.3,0) 6(-1.3,-0.95)
SOT-23-5
  rect 1.2x0.55 smd: 1(1.3,-0.95) 2(1.3,0) 3(1.3,0.95) 4(-1.3,0.95) 5(-1.3,-0.95)
SSOP28
  rect 1.6x0.325 smd: 1(-3.9,4.225) 2(-3.9,3.575) 3(-3.9,2.925) 4(-3.9,2.275) 5(-3.9,1.625) 6(-3.9,0.975) 7(-3.9,0.325) 8(-3.9,-0.325) 9(-3.9,-0.975) 10(-3.9,-1.625) 11(-3.9,-2.275) 12(-3.9,-2.925) 13(-3.9,-3.575) 14(-3.9,-4.225) 15(3.9,-4.225) 16(3.9,-3.575) 17(3.9,-2.925) 18(3.9,-2.275) 19(3.9,-1.625) 20(3.9,-0.975) 21(3.9,-0.325) 22(3.9,0.325) 23(3.9,0.975) 24(3.9,1.625) 25(3.9,2.275) 26(3.9,2.925) 27(3.9,3.575) 28(3.9,4.225)
TBGA100
  round 0.5 smd: A1(-8,-4.5) A2(-8,-3.5) A9(-8,3.5) A10(-8,4.5) B1(-7,-4.5) B10(-7,4.5) D2(-5,-3.5) D3(-5,-2.5) D4(-5,-1.5) D5(-5,-0.5) D6(-5,0.5) D7(-5,1.5) D8(-5,2.5) D9(-5,3.5) E2(-4,-3.5) E3(-4,-2.5) E4(-4,-1.5) E5(-4,-0.5) E6(-4,0.5) E7(-4,1.5) E8(-4,2.5) E9(-4,3.5) F2(-3,-3.5) F3(-3,-2.5) F4(-3,-1.5) F5(-3,-0.5) F6(-3,0.5) F7(-3,1.5) F8(-3,2.5) F9(-3,3.5) G2(-2,-3.5) G3(-2,-2.5) G4(-2,-1.5) G5(-2,-0.5) G6(-2,0.5) G7(-2,1.5) G8(-2,2.5) G9(-2,3.5) H2(-1,-3.5) H3(-1,-2.5) H4(-1,-1.5) H5(-1,-0.5) H6(-1,0.5) H7(-1,1.5) H8(-1,2.5) H9(-1,3.5) J2(0,-3.5) J3(0,-2.5) J4(0,-1.5) J5(0,-0.5) J6(0,0.5) J7(0,1.5) J8(0,2.5) J9(0,3.5) K2(1,-3.5) K3(1,-2.5) K4(1,-1.5) K5(1,-0.5) K6(1,0.5) K7(1,1.5) K8(1,2.5) K9(1,3.5) L2(2,-3.5) L3(2,-2.5) L4(2,-1.5) L5(2,-0.5) L6(2,0.5) L7(2,1.5) L8(2,2.5) L9(2,3.5) M2(3,-3.5) M3(3,-2.5) M4(3,-1.5) M5(3,-0.5) M6(3,0.5) M7(3,1.5) M8(3,2.5) M9(3,3.5) N2(4,-3.5) N3(4,-2.5) N4(4,-1.5) N5(4,-0.5) N6(4,0.5) N7(4,1.5) N8(4,2.5) N9(4,3.5) P2(5,-3.5) P3(5,-2.5) P4(5,-1.5) P5(5,-0.5) P6(5,0.5) P7(5,1.5) P8(5,2.5) P9(5,3.5) T1(7,-4.5) T10(7,4.5) U1(8,-4.5) U2(8,-3.5) U9(8,3.5) U10(8,4.5)
  round 0.4 smd: FID1(9,-7) FID3(-9,7)
TESTPAD_40-ROUND
  round 1 smd: 1(0,0)
TSX-3.2x2.5mm_GND(3)
  rect 1.4x1.2 smd: 1(-1.1,-0.8) 2(1.1,0.8) 3(-1.1,0.8) 3(1.1,-0.8)
U.FL-R-SMT-1
  rect 1.05x1.05 smd: 1(0,-1.5)
  rect 1.05x2.2 smd: 2(-1.5,0) 2(1.5,0)
USB-A-TERES
  rect 2.4x2.4 smd: 0(-8,7.4) 0(8,7.4)
  oval 1.524x3 hole 0.8x2.2: 0(-7.85,12.2) 0(7.85,12.2)
  round 1.524 hole 0.8: 1(-3.5,12.8) 2(-1,12.8) 3(1,12.8) 4(3.5,12.8)
USB-MICRO_MISB-SWMM-5B_LF
  round 0.55 hole 0.55 unplated: (-1.9,2) (-1.9,-2)
  oval 1.8x1.2 hole 1.2x0.6: 0(-3.22,3.6) 0(-3.22,-3.6) 0(0.25,3.6) 0(0.25,-3.6)
  rect 1x1.1 smd: 0(1.4,1.5) 0(1.4,-1.5)
  rect 2.15x0.35 smd: 1(-2.9,-1.3) 2(-2.9,-0.65) 3(-2.9,0) 4(-2.9,0.65) 5(-2.9,1.3)
uTACTIL
  round 0.7 hole 0.7 unplated: (0,0.85) (0,-0.85)
  rect 1.5x1.4 smd: 1(-2.1,0) 2(2.1,0)

## Nets
1.1V_CPUS: C117.2 C120.2 C179.2 U1.H15 U14.5
1.1V_CPUX: 1.1V_CPUX1.1 C123.2 C127.2 C129.2 C130.2 C131.2 C132.2 C134.2 C136.2 C137.2 C139.2 C142.2 C146.2 C148.2 L15.2 L17.2 U1.AA1 U1.AA3 U1.AB2 U1.AC1 U1.AC2 U1.U6 U1.V2 U1.V3 U1.V4 U1.V5 U1.V6 U1.W1 U1.W3 U1.W4 U1.W5 U1.Y2 U1.Y3 U1.Y4
1.1V_SYS: 1.1V_SYS1.1 C154.2 C155.2 C158.2 C160.2 C163.2 C166.2 C168.2 L20.2 U1.J12 U1.J13 U1.K14 U1.L13 U1.L14 U1.M13 U1.M14 U1.N14 U1.P14 U1.R13 U1.R14 U1.T15 U14.9
1.2V_HSIC: C178.2 C197.1 EUEXT1.2 U1.K16 U14.3
3.0V_RTC: C152.1 C189.2 C190.2 R85.2 U1.H16 U14.49
+1.5V: C1.1 C2.1 C3.1 C4.1 C5.1 C6.1 C7.1 C8.1 C9.1 C10.1 C11.1 C12.1 C13.1 C14.1 C15.1 C16.1 C17.1 C18.1 C19.1 C20.1 C21.1 C26.1 C27.1 C28.1 C29.1 C30.1 C31.1 C32.2 C150.2 DDR3_VCC1.1 L19.2 R1.2 R5.2 R11.2 U1.G7 U1.G8 U1.G9 U1.J8 U1.K6 U1.K7 U1.L6 U1.L7 U1.L8 U1.N7 U1.N8 U2.A1 U2.A8 U2.B2 U2.C1 U2.C9 U2.D2 U2.D9 U2.E9 U2.F1 U2.G7 U2.H2 U2.H9 U2.K2 U2.K8 U2.N1 U2.N9 U2.R1 U2.R9 U3.A1 U3.A8 U3.B2 U3.C1 U3.C9 U3.D2 U3.D9 U3.E9 U3.F1 U3.G7 U3.H2 U3.H9 U3.K2 U3.K8 U3.N1 U3.N9 U3.R1 U3.R9 U14.8
+1V8: C47.2 C50.2 C170.2 U1.E13 U14.68
+3.0VA: C46.1 C49.1 C175.1 C191.2 R32.2 U1.G14 U1.N16 U14.31
+3.3VD: C79.2 C161.2 FET1.1 R46.1 U1.M16 U14.17
+3V3: +3.3V1.1 C34.2 C73.2 C91.2 C92.2 C112.2 C115.2 C116.2 C122.2 C186.2 eDP1.1 eDP1.2 EUEXT1.1 HALLSW1.1 L1.1 L2.1 L14.2 R16.1 R30.2 R31.2 R37.2 R48.1 R75.1 R77.1 R95.2 R107.2 R110.2 RM7.1.1 RM7.2.1 RM7.3.1 RM7.4.1 U1.L16 U1.N18 U1.R16 U1.T14 U1.U15 U11.9 U13.4 U14.20
+5V: C71.1 C78.1 C85.2 C86.1 C143.2 D2.1 FUSE1.1 R39.1 R47.1 R50.1 R80.1 U6.5 U9.5 U12.23 USB3.1 USB3.2
+5V_USBOTG: +5V_USBOTG1.1 C67.1 C124.1 L6.2 U14.54 USB-OTG1.1
/eDP LCD/1.2V: C93.2 C96.2 C97.2 FB1.2 U17.F4 U17.F5 U17.F6
/eDP LCD/2.5V: C62.2 C63.2 C80.2 FB3.2 U17.E7 U17.F7 U17.G4 U17.G5
/eDP LCD/A1.2V: C101.2 C104.2 C111.2 FB2.2 U17.D4 U17.E4
/eDP LCD/A2.5V: C41.2 C48.2 C58.2 FB4.2 U17.C3 U17.C4 U17.C5 U17.C6 U17.C7 U17.D3
GND: ANT1.2 BATTERY1.0 BATTERY1.1 BATTERY1.2 BATTERY1.3 BATTERY1.4 C1.2 C2.2 C3.2 C4.2 C5.2 C6.2 C7.2 C8.2 C9.2 C10.2 C12.2 C13.2 C14.2 C15.2 C16.2 C17.2 C18.2 C19.2 C20.2 C21.2 C22.1 C23.2 C24.2 C25.2 C26.2 C27.2 C28.2 C29.2 C30.2 C31.2 C33.1 C34.1 C35.1 C36.1 C37.1 C38.1 C42.2 C43.2 C44.2 C62.1 C63.1 C64.2 C67.2 C68.1 C69.1 C70.1 C71.2 C72.1 C73.1 C74.2 C75.2 C76.2 C77.1 C78.2 C79.1 C80.1 C81.2 C82.2 C83.2 C84.2 C85.1 C86.2 C87.2 C88.2 C89.1 C90.1 C91.1 C92.1 C93.1 C94.2 C95.2 C96.1 C97.1 C99.2 C100.1 C103.2 C106.1 C107.1 C108.2 C109.2 C110.1 C112.1 C113.2 C114.1 C115.1 C116.1 C117.1 C118.1 C119.1 C120.1 C121.2 C122.1 C123.1 C124.2 C125.1 C126.1 C127.1 C128.2 C129.1 C130.1 C131.1 C132.1 C133.1 C134.1 C136.1 C137.1 C138.2 C139.1 C140.1 C141.2 C142.1 C143.1 C144.2 C145.1 C146.1 C147.2 C148.1 C149.2 C150.1 C151.2 C152.2 C153.1 C154.1 C155.1 C156.1 C157.1 C158.1 C159.1 C160.1 C161.1 C162.1 C163.1 C164.1 C165.1 C166.1 C167.1 C168.1 C169.2 C170.1 C171.2 C172.1 C173.2 C174.1 C175.2 C176.1 C177.1 C178.1 C179.1 C180.1 C181.1 C182.1 C183.2 C184.2 C185.2 C186.1 C187.2 C188.1 C189.1 C190.1 C191.1 C192.1 C193.2 C195.1 C196.2 C197.2 C198.2 C204.2 C205.2 C206.2 C209.2 CON1.0 CON1.5 CON1.6 CON1.7 CON1.10 CON1.11 CON1.12 CON1.13 CON1.17 CON1.23 CON1.24 CON1.29 CON1.30 D1.A DBG_UART1.1 DC5.2 eDP1.0 eDP1.3 eDP1.6 eDP1.9 eDP1.12 eDP1.19 eDP1.20 EUEXT1.0 EUEXT1.11 EUEXT1.12 FB5.2 GND1.1 HALLSW1.3 HDMI1.0 HDMI1.2 HDMI1.5 HDMI1.8 HDMI1.11 HDMI1.17 HOLE1.1 HOLE2.1 HOLE3.1 HOLE4.1 HOLE5.1 HOLE6.1 HOLE7.1 HOLE8.1 HOLE9.1 L9.1 MountingHole. MountingHole#2. PB1.0 PB1.1 PB1.6 PWRLED1.1 Q1.3 Q4.3 R7.1 R8.1 R9.2 R10.2 R12.1 R13.2 R14.2 R17.1 R20.2 R24.2 R36.1 R40.1 R41.1 R42.1 R45.1 R49.1 R52.2 R53.2 R55.2 R56.2 R57.2 R81.2 R83.2 R84.1 R86.2 R87.2 R96.2 R97.2 R98.2 R108.1 R109.1 RESET1.2 SPK1.0 U1.A1 U1.A23 U1.AC23 U1.C3 U1.C7 U1.D7 U1.G6 U1.G11 U1.H4 U1.H13 U1.J9 U1.J10 U1.J11 U1.J14 U1.J15 U1.K8 U1.K9 U1.K10 U1.K11 U1.K12 U1.K13 U1.L4 U1.L5 U1.L9 U1.L10 U1.L11 U1.L12 U1.L15 U1.M3 U1.M8 U1.M9 U1.M10 U1.M11 U1.M12 U1.M15 U1.N4 U1.N9 U1.N10 U1.N11 U1.N12 U1.N13 U1.N15 U1.P7 U1.P8 U1.P9 U1.P10 U1.P11 U1.P12 U1.P13 U1.R5 U1.R6 U1.R7 U1.R8 U1.R9 U1.R10 U1.R11 U1.R12 U1.R15 U1.T8 U1.T9 U1.T10 U1.T11 U1.T12 U1.T13 U1.U2 U1.U5 U1.U7 U1.U8 U1.U9 U1.U11 U1.U12 U1.V8 U1.V14 U2.A9 U2.B1 U2.B3 U2.B9 U2.D1 U2.D8 U2.E1 U2.E2 U2.E8 U2.F9 U2.G1 U2.G8 U2.G9 U2.J2 U2.J8 U2.M1 U2.M9 U2.P1 U2.P9 U2.T1 U2.T9 U3.A9 U3.B1 U3.B3 U3.B9 U3.D1 U3.D8 U3.E1 U3.E2 U3.E8 U3.F9 U3.G1 U3.G8 U3.G9 U3.J2 U3.J8 U3.M1 U3.M9 U3.P1 U3.P9 U3.T1 U3.T9 U4.3 U4.8 U5.G2 U5.G3 U5.G4 U5.G5 U5.G6 U5.G7 U5.G8 U5.G9 U5.H2 U5.H9 U5.L3 U5.L8 U5.M4 U5.M7 U5.P2 U5.P9 U6.2 U7.3 U7.8 U8.3 U8.8 U9.2 U10.3 U10.8 U11.1 U11.20 U11.31 U11.33 U11.36 U11.41 U12.14 U12.15 U13.2 U14.12 U14.25 U14.45 U14.59 U14.69 U15.3 U15.8 U16.2 U17.D5 U17.D6 U17.D7 U17.E5 U17.E6 U17.G1 U17.G2 U17.G6 U17.G7 U17.G8 U17.H5 U17.J3 U17.J9 U18.7 U19.7 UBOOT1.2 USB1.4 USB3.0 USB3.5 USB3.6 USB-OTG1.0 USB-OTG1.5
GNDA: C45.1 C46.2 C47.1 C49.2 C50.1 C51.2 C53.2 C54.1 C55.2 C56.1 C59.2 C65.1 C66.1 R27.2 R28.2 R35.1 R36.2 U1.A11
VBAT: BATTERY1.6 BATTERY1.7 BATTERY1.8 BATTERY1.9 C135.2 C180.2 R78.2 U14.64 VBAT1.1
VCC-PE: C171.1 U14.28
VCC-PL: C89.2 C90.2 C109.1 C110.2 C173.1 R61.2 R88.2 R90.2 RM9.1.1 RM9.2.1 RM9.3.1 RM9.4.1 RM12.1.1 RM12.2.1 RM12.3.1 RM12.4.1 U1.J16 U1.T17 U11.22 U14.29
VDDFB-CPUX: U1.T6 U14.41 U14.42
/eDP LCD/BKLT_ON: eDP1.14 U1.AC10 U15.5 U15.6 U16.4
/eDP LCD/BKLT_PWM: eDP1.15 U1.Y13
/eDP LCD/eDP_AGND: C41.1 C48.1 C58.1 C101.1 C104.1 C111.1 FB5.1 U17.A4 U17.A7 U17.B9 U17.E3 U17.F3 U17.G3
/eDP LCD/EDP_AUX+: C202.1 U17.C1
/eDP LCD/EDP_AUX-: C203.1 U17.B1
/eDP LCD/EDP_AUX_N: C203.2 eDP1.5 R16.2 U4.2 U4.9
/eDP LCD/EDP_AUX_P: C202.2 eDP1.4 R17.2 U4.1 U4.10
/eDP LCD/EDP_HPD_CON: eDP1.13 R22.2 U15.4 U15.7
/eDP LCD/EDP_LANE0+: C207.1 U17.A2
/eDP LCD/EDP_LANE0-: C208.1 U17.A3
/eDP LCD/EDP_LANE0_N: C208.2 eDP1.7 U4.4 U4.7
/eDP LCD/EDP_LANE0_P: C207.2 eDP1.8 U4.5 U4.6
/eDP LCD/EDP_LANE1+: C210.1 U17.A5
/eDP LCD/EDP_LANE1-: C211.1 U17.A6
/eDP LCD/EDP_LANE1_N: C211.2 eDP1.10 U15.1 U15.10
/eDP LCD/EDP_LANE1_P: C210.2 eDP1.11 U15.2 U15.9
/eDP LCD/eDP_RESET: R87.1 U1.Y14 U17.B6
/eDP LCD/HUSB3+: eDP1.18 R101.2
/eDP LCD/HUSB3-: eDP1.17 R100.2
/eDP LCD/LCDB2: U1.AA20 U17.H8
/eDP LCD/LCDB3: U1.AA17 U17.H7
/eDP LCD/LCDB4: U1.W19 U17.H6
/eDP LCD/LCDB5: U1.AA14 U17.J8
/eDP LCD/LCDB6: U1.V18 U17.J7
/eDP LCD/LCDB7: U1.AA15 U17.J6
/eDP LCD/LCDCL: U1.AB13 U17.J4
/eDP LCD/LCDDE: U1.AB12 U17.H9
/eDP LCD/LCDG2: U1.Y11 U17.H4
/eDP LCD/LCDG3: U1.AA16 U17.J1
/eDP LCD/LCDG4: U1.V17 U17.J2
/eDP LCD/LCDG5: U1.AA13 U17.H2
/eDP LCD/LCDG6: U1.W16 U17.H3
/eDP LCD/LCDG7: U1.Y16 U17.H1
/eDP LCD/LCDHS: U1.AB11 U17.G9
/eDP LCD/LCDR2: U1.AC16 U17.F2
/eDP LCD/LCDR3: U1.AB16 U17.E2
/eDP LCD/LCDR4: U1.AB15 U17.F1
/eDP LCD/LCDR5: U1.AB14 U17.D2
/eDP LCD/LCDR6: U1.AC14 U17.D1
/eDP LCD/LCDR7: U1.AC13 U17.C2
/eDP LCD/LCDVS: U1.AC11 U17.F8
/eDP LCD/VDC12V: C204.1 D3.1 D5.2 eDP1.21 eDP1.22 R19.1
/eDP LCD/VLED38V: C206.1 D5.1 eDP1.23 eDP1.24
/NAND Flash , eMMC, T-Card and Audio/FC_MIC_N: C60.1 CON1.8 R29.1
/NAND Flash , eMMC, T-Card and Audio/FC_MIC_P: C52.1 CON1.9 R26.1
/NAND Flash , eMMC, T-Card and Audio/HBIAS: CON1.40 U1.D13
/NAND Flash , eMMC, T-Card and Audio/HP-DET: R15.2 U1.D11
/NAND Flash , eMMC, T-Card and Audio/HPOUTL: L5.1 R35.2 RM6.4.1 U1.C13
/NAND Flash , eMMC, T-Card and Audio/HPOUTR: L3.1 RM6.2.1 U1.C12
/NAND Flash , eMMC, T-Card and Audio/HS-MIC: CON1.39 U1.B10
/NAND Flash , eMMC, T-Card and Audio/HUSB2-D+: CON1.25 R106.1
/NAND Flash , eMMC, T-Card and Audio/HUSB2-D-: CON1.26 R58.1
/NAND Flash , eMMC, T-Card and Audio/LINEOUT_L: C194.2 U1.D16
/NAND Flash , eMMC, T-Card and Audio/LINEOUT_R: C102.2 U1.C16
